# KiCad board mtt_final.kicad_pcb (continued)
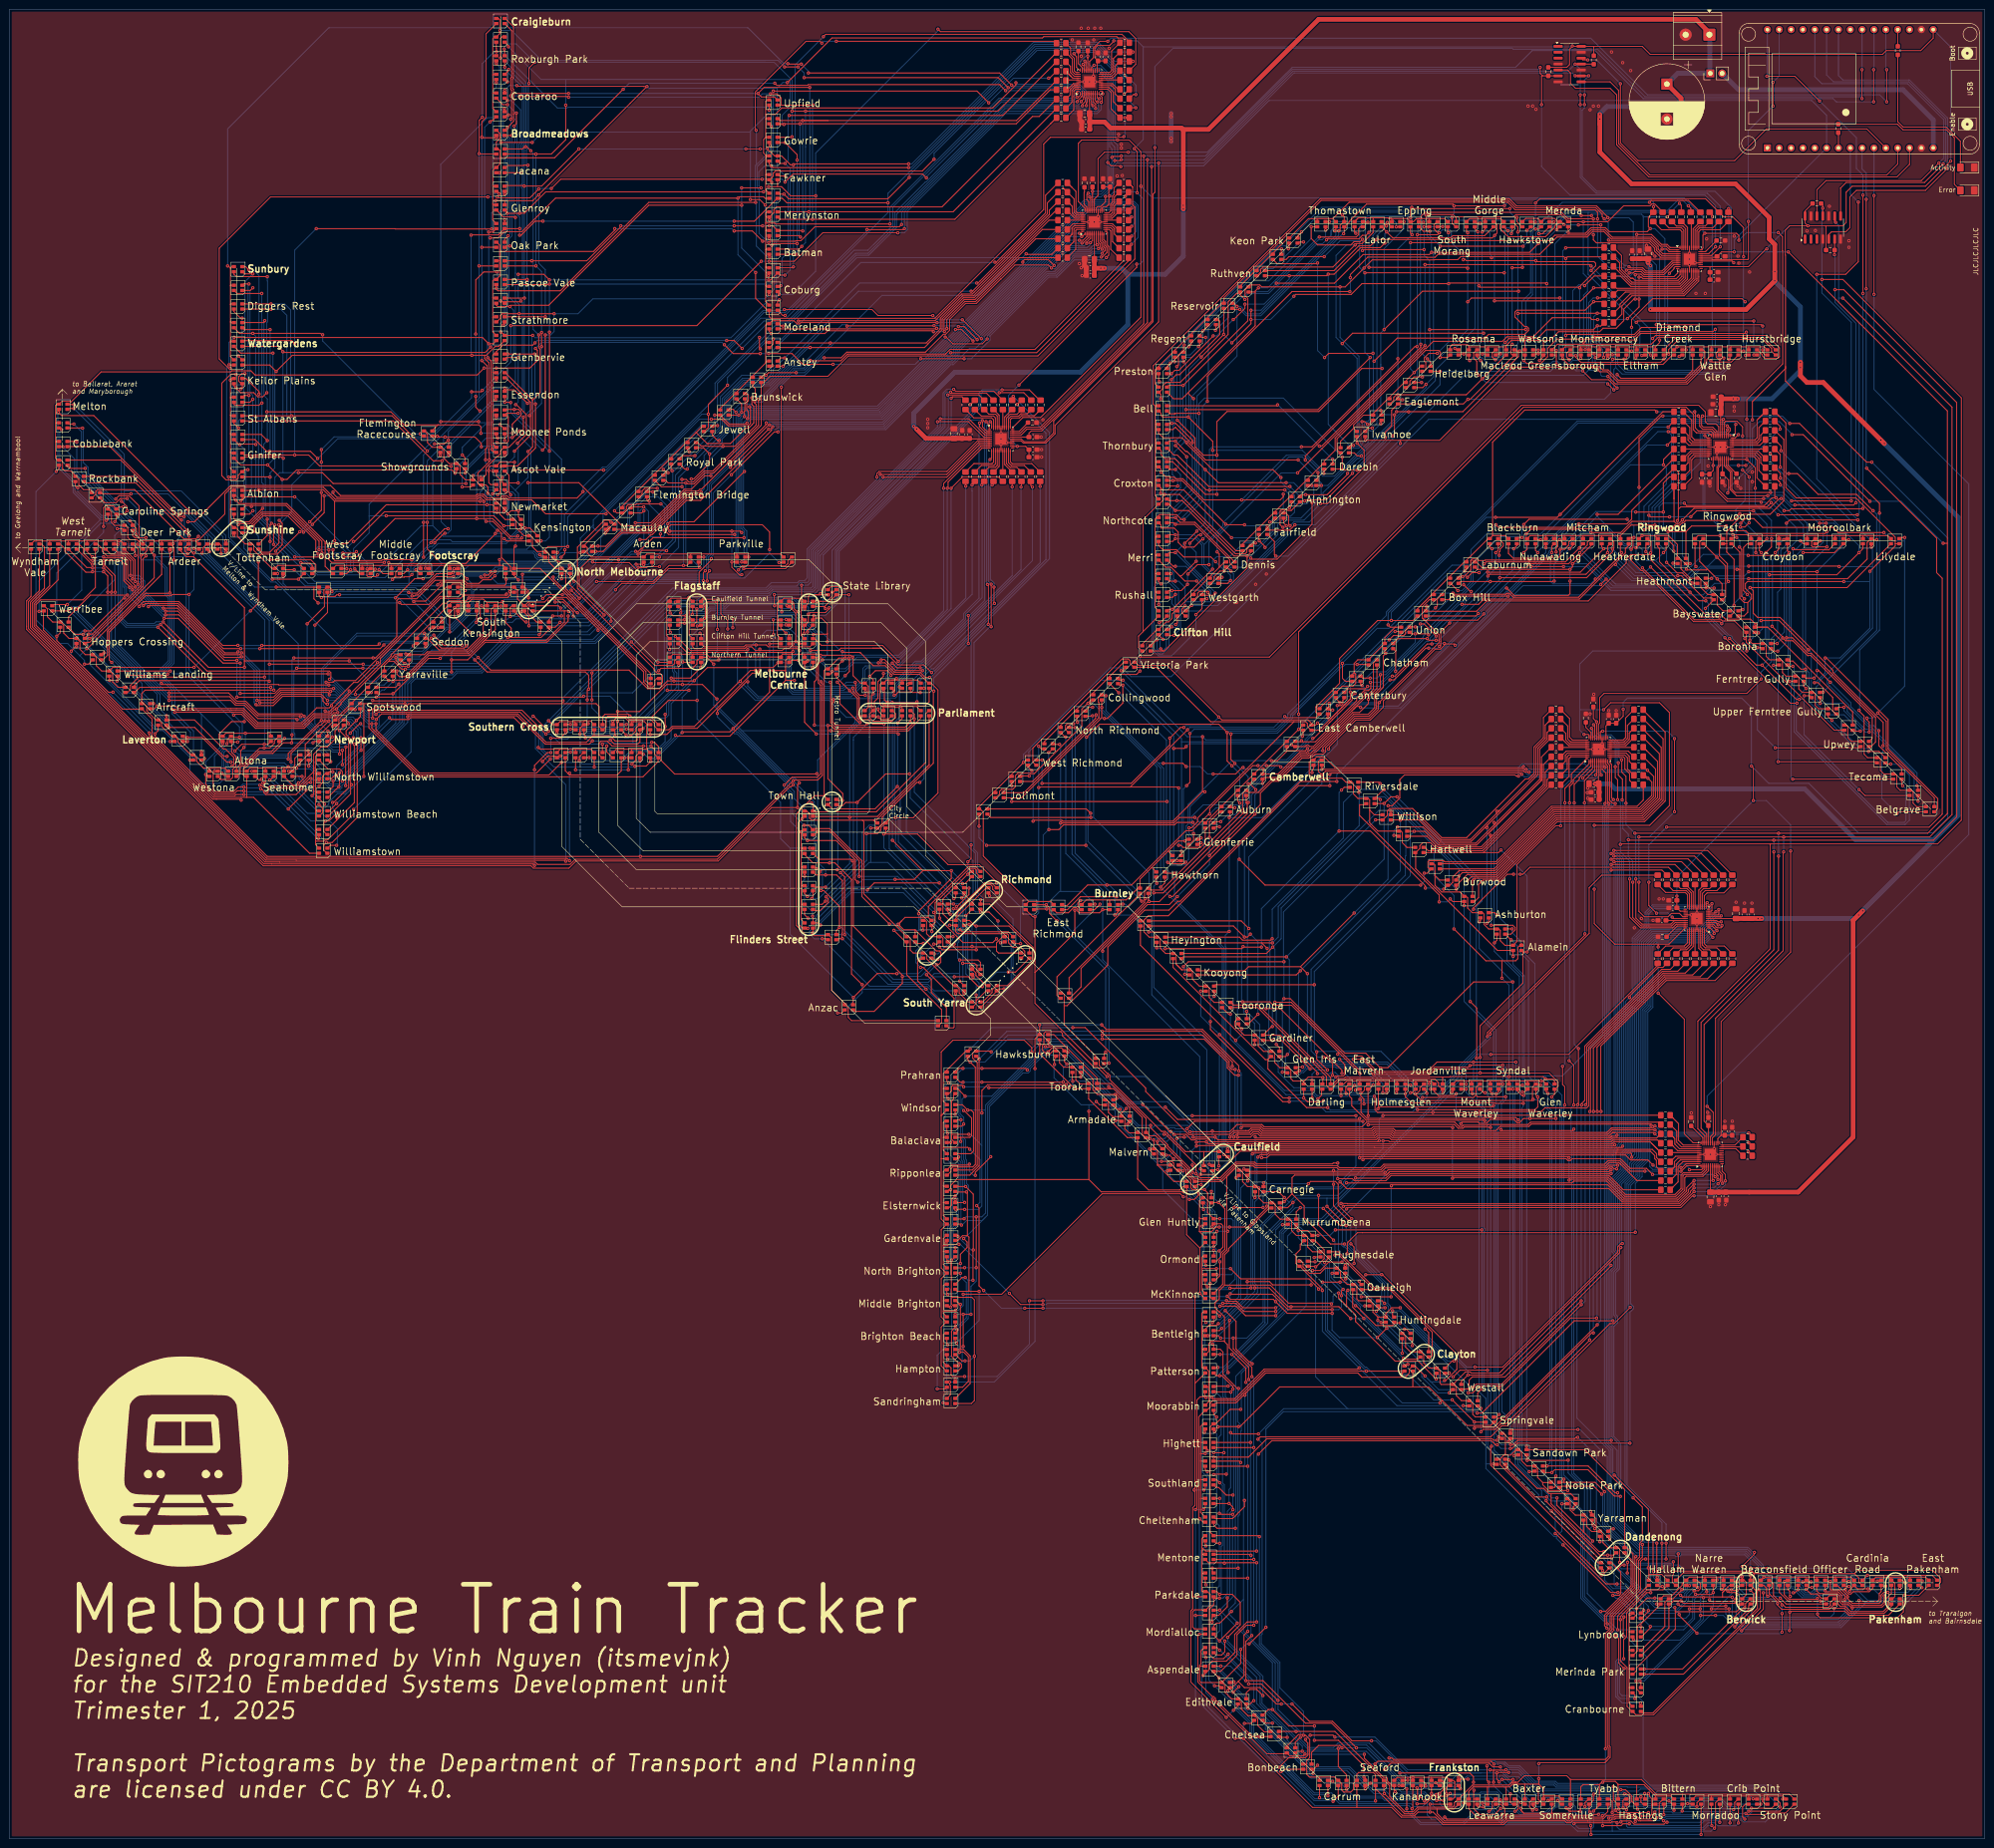
[diagram p0: board, top side]
## Routing (per net, layer and track width the routed paths; a pad name or vN(x,y) marks a point on that pad's centre or on a via; arc(x,y) is an arc through that point) (continued)
/L2_K0R: length 9.5
  Top w0.2: U4.43 211,304.39 210.59,304.81 206.79,304.81 205.6,305.99 ; 205.6,305.99 R40.1 205.6,305.99
/L2_K1B: length 4
  Top w0.2: U4.37 213.4,304.99 214.6,306.19
/L2_K1G: length 3.9
  Top w0.2: U4.38 R44.1
/L2_K1R: length 3.9
  Top w0.2: U4.40 212.2,305.39 211.39,306.2
/L2_K2B: length 10.7
  Top w0.2: R48.1 220.5,305.99 R48.1 ; R48.1 219.8,305.29 217.07,305.29 216.57,304.79 214.97,304.79 214.6,304.43 214.6,303.89 214.6,302.81
/L2_K2G: length 9.4
  Top w0.2: R47.1 218.48,305.97 R47.1 ; R47.1 218.2,305.69 216.9,305.69 216.4,305.19 214.8,305.19 214.2,304.59 U4.35
/L2_K2R: length 6.8
  Top w0.2: 216.55,306.09 216.05,305.59 214.6,305.59 213.8,304.79 U4.36 ; 216.55,306.09 R46.1 216.55,306.09
/L2_K3B: length 7
  Top w0.2: R51.1 216.41,293.78 ; 216.41,293.78 216.51,293.69 ; 216.41,293.78 216.02,294.18 214.58,294.18 213.8,294.96 U4.20
/L2_K3G: length 7.9
  Top w0.2: 218.7,293.49 218.4,293.79 217.61,294.58 214.82,294.58 214.2,295.19 U4.21
/L2_K3R: length 9.1
  Top w0.2: 220.54,293.65 219.2,294.99 215,294.99 214.6,295.39 214.6,297.78
/L2_K4B: length 4.8
  Top w0.2: 211.26,293.45 212.2,294.39 U4.16
/L2_K4G: length 4.7
  Top w0.2: U4.18 R53.1
/L2_K4R: length 5
  Top w0.2: 214.75,293.44 213.4,294.79 U4.19
/L2_K5B: length 8.8
  Top w0.2: 205.46,293.65 206.8,295 210.7,295 211,295.29 U4.13
/L2_K5G: length 7.8
  Top w0.2: U4.14 211.4,294.89 211.1,294.59 208.4,294.59 207.21,293.4
/L2_K5R: length 6.4
  Top w0.2: 209.23,293.43 210,294.19 211.4,294.19 211.8,294.59 U4.15
/L3_A0: length 67.2
  Top w0.2: v1(336.4,346.2) 336.4,346.2 v1(341.2,346.2) ; v1(347.26,337.23) 347.51,336.98 350.19,336.98 350.86,336.3 354.34,336.3 356.48,338.45 U5.7 ; 332.7,346.9 v1(333.3,346.3) ; D222.3 313.05,347.55 316.4,347.55 ; 316.4,347.55 319.75,347.55 D220.3 ; 316.4,347.55 D221.3 ; D219.3 325.1,347.6 327.7,347.6 D218.3 329.09,347.59 331.29,347.59 332.14,346.74 331.3,345.9 331.3,345.63 329.34,343.66 321.34,343.66 319.57,345.43 319.57,346.15 320.32,346.9
  Bottom w0.2: v1(333.3,346.3) 333.4,346.2 v1(336.4,346.2) ; v1(347.26,337.23) 346.98,337.5 346.25,337.5 341.2,342.55 v1(341.2,346.2)
/L3_A1: length 88.7
  Top w0.2: 302.7,347.57 302.7,348.13 303.47,348.91 304.69,348.91 304.7,348.9 332.77,348.9 334.12,347.55 334.72,347.55 334.77,347.5 v1(339.6,347.5) ; 302.7,347.57 301.7,347.57 ; 302.7,347.57 304.4,347.57 ; 302.7,347.57 302.3,347.57 302.29,347.55 301.68,347.55 301.03,346.9 D225.3 299.73,347.57 296.1,347.57 ; 292.4,347.71 295.62,347.71 295.77,347.57 296.1,347.57 ; 292.4,347.71 D227.3 ; 292.4,347.71 289.21,347.71 D228.3 289.1,347.6 ; D224.3 304.4,347.57 ; 304.4,347.57 307.73,347.57 D223.3 ; U5.5 354.05,339.25 352.7,340.6 352.7,341.24 351.59,342.35 340.25,342.35 339.6,343 v1(339.6,344.1) ; 296.1,347.57 296.4,347.57 D226.3
  Bottom w0.2: v1(339.6,347.5) v1(339.6,344.1)
/L3_A2: length 115.4
  Top w0.2: 280.4,347.55 278.55,347.55 D231.3 ; 280.4,347.55 D230.3 ; 280.4,347.55 283.75,347.55 ; U5.8 356.65,338.05 354.5,335.9 350.7,335.9 350.03,336.58 346.78,336.58 v1(346.69,336.49) ; 263.9,333.15 267.27,336.53 270.9,340.15 274.15,343.4 ; 283.75,347.55 D229.3 ; 283.75,347.55 287.25,351.05 321.23,351.05 322.83,349.45 339.98,349.45 340.5,348.93 v1(340.5,347.5)
  Bottom w0.2: v1(346.69,336.49) 346.12,337.07 342.93,337.07 340.5,339.5 v1(340.5,347.5)
/L3_A3: length 140.5
  Top w0.2: 246.4,315.85 245.65,315.1 245.65,312.15 D240.3 ; 246.4,315.85 249.9,319.35 ; 246.4,315.85 D239.3 ; U5.4 354.25,339.65 353.1,340.8 353.1,341.41 351.76,342.75 343.05,342.75 v1(342.85,342.95) ; 249.9,319.35 D238.3 ; 249.9,319.35 253.17,322.63 256.67,326.13 259.95,329.4 D235.3 260.4,330.6 281.25,351.45 321.4,351.45 323,349.85 340.15,349.85 341.5,348.5 341.5,347.95 v1(341.94,347.51)
  Bottom w0.2: v1(341.94,347.51) 342.8,346.65 342.8,343 v1(342.85,342.95)
/L3_A4: length 175.9
  Top w0.2: v1(342.7,347.75) 342.7,347.86 340.32,350.25 323.17,350.25 321.57,351.85 281.08,351.85 245.25,316.02 245.25,307.75 245.65,307.35 ; 245.65,299.4 245.65,295.4 ; 245.65,299.4 245.65,303.4 ; 245.65,299.4 D243.3 ; 245.65,295.4 D244.3 ; 245.65,295.4 245.65,291.4 ; U5.9 356.83,337.65 354.68,335.5 350.53,335.5 349.86,336.17 348.43,336.17 348.15,335.9 347.3,335.9 v1(347.29,335.89) ; 245.65,303.4 D242.3 ; 245.65,303.4 245.65,307.35 ; 245.65,307.35 245.7,307.4 D241.3 ; 245.65,291.4 245.65,288.15 D246.3 ; 245.65,291.4 D245.3
  Bottom w0.2: v1(347.29,335.89) 348.17,336.77 348.17,346.8 347.22,347.75 v1(342.7,347.75)
/L3_A5: length 181.9
  Top w0.2: 245.65,279.15 245.9,279.4 D248.3 ; 245.65,279.15 245.65,283.1 245.95,283.4 ; 245.65,279.15 245.65,275.15 ; D249.3 245.9,275.4 245.65,275.15 ; v1(287.4,331.9) 275,331.9 256.85,313.75 v1(256.85,308.35) ; v1(287.5,334.9) 287.5,335.55 291.25,339.3 303.85,339.3 303.9,339.25 305.65,339.25 306.31,339.91 328.11,339.91 331.79,343.6 338.25,343.6 339.45,344.8 341.85,344.8 343.5,343.15 351.93,343.15 353.5,341.58 353.5,341 353.5,341 354.45,340.05 U5.3 ; 245.95,283.4 246.6,284.05 250.25,284.05 251.3,283 v1(251.88,283) ; 245.95,283.4 D247.3 ; 245.65,275.15 245.65,271.4 ; 245.65,267.65 245.9,267.4 D251.3 ; 245.65,267.65 245.65,264.15 D252.3 ; 245.65,267.65 245.65,271.4 ; D250.3 245.65,271.4
  Bottom w0.2: v1(287.4,331.9) 287.5,332 v1(287.5,334.9) ; v1(256.85,308.35) 255.8,307.3 255.8,286.92 v1(251.88,283)
/L3_A6: length 43.4
  Top w0.2: 364.9,320.05 369.15,320.05 ; 364.9,320.05 360.9,320.05 ; 364.9,320.05 D256.3 ; 369.15,320.05 368.9,319.8 D255.3 ; 369.15,320.05 372.9,320.05 ; D253.3 376.25,320.05 372.9,320.05 ; 372.9,320.05 D254.3 ; v1(355.9,335.8) 356.89,336.79 356.89,336.99 357.15,337.25 U5.10 ; 360.9,320.05 357.55,320.05 v1(357.55,320.05) D258.3 ; 360.9,320.05 D257.3
  Bottom w0.2: v1(355.9,335.8) 355.53,335.43 355.53,320.72 356.2,320.05 v1(357.55,320.05)
/L3_A7: length 48.8
  Top w0.2: D263.3 336.9,320.05 ; 336.9,320.05 340.9,320.05 ; 336.9,320.05 333.55,320.05 D264.3 ; D261.3 344.9,320.05 ; 344.9,320.05 340.9,320.05 ; 344.9,320.05 348.9,320.05 ; D260.3 348.9,320.05 ; 348.9,320.05 352.9,320.05 ; 352.9,320.05 353.8,320.95 v1(353.8,321.5) ; 352.9,320.05 D259.3 ; 340.9,320.05 D262.3 ; v1(354.33,341.02) 355.28,341.02 355.85,340.45 U5.2
  Bottom w0.2: v1(354.33,341.02) 353.8,340.48 v1(353.8,321.5)
/L3_A8: length 68.6
  Top w0.2: 324.9,321.4 328.9,321.4 ; 324.9,321.4 322,321.4 320.9,320.3 320.9,320.05 ; 324.9,321.4 D266.3 ; 328.9,321.4 D265.3 ; 328.9,321.4 330.25,321.4 332.15,323.3 340.96,323.3 341.7,324.04 344.5,324.04 346.12,325.67 346.12,328.12 348.3,330.3 v1(348.6,330.3) ; D268.3 316.9,319.8 317.15,320.05 ; 357.69,336.85 357.69,335.89 356.9,335.1 350.37,335.1 349.82,335.65 348.75,335.65 v1(348.6,335.5) ; 312.9,320.05 312.9,320.2 312.6,320.5 309.3,320.5 308.9,320.1 D270.3 ; 312.9,320.05 D269.3 ; 312.9,320.05 317.15,320.05 ; 320.9,320.05 D267.3 ; 320.9,320.05 317.15,320.05
  Bottom w0.2: v1(348.6,330.3) v1(348.6,335.5)
/L3_A9: length 115.3
  Top w0.2: 302.55,315.9 v1(301.17,314.52) 292.4,305.75 D274.3 290.3,305.4 288.21,303.31 288.21,302.59 ; D275.3 288.21,302.59 ; 288.21,302.59 285.4,299.78 D276.3 ; v1(300.4,342.4) 309.2,342.4 309.63,342.83 330.2,342.83 331.37,344 338.08,344 339.28,345.2 342.02,345.2 343.66,343.55 352.09,343.55 354.03,341.62 355.25,341.62 356.02,340.85 357.69,340.85
  Bottom w0.2: v1(300.4,342.4) 300.4,315.3 v1(301.17,314.52)
/L3_A10: length 126.2
  Top w0.2: 267.9,281.25 264.4,277.75 D282.3 ; 267.9,281.25 D281.3 ; 267.9,281.25 271.4,284.75 ; v1(349.4,335) 349.9,335 350.2,334.7 357.4,334.7 358.2,335.5 358.2,336.34 ; 274.9,288.25 278.4,291.75 ; 274.9,288.25 D279.3 ; 274.9,288.25 271.4,284.75 ; 278.4,291.75 281.55,294.9 ; 278.4,291.75 D278.3 ; v1(346.9,326.1) 349.4,328.6 v1(349.4,330.3) ; v1(340.5,325.9) 339.3,325.9 338.9,326.3 330.8,326.3 326.7,322.2 321.06,322.2 320.09,321.23 305.28,321.23 303.75,319.7 303.75,319.67 303.44,319.67 284.25,300.48 284.25,297.85 281.9,295.5 D277.3 ; 271.4,284.75 D280.3
  Bottom w0.2: v1(340.5,325.9) 346.7,325.9 v1(346.9,326.1) ; v1(349.4,330.3) v1(349.4,335)
/L3_A11: length 176.5
  Top w0.2: v1(348.9,344.15) 352.06,344.15 354.19,342.02 355.42,342.02 356.07,341.36 358.2,341.36 ; v1(303.5,337.7) 338.8,337.7 v1(339.1,337.4) ; 246.05,259.4 242.9,256.25 D288.3 ; v1(258.95,276.05) 259.4,275.6 259.4,272.75 259.33,272.68 ; 259.33,272.68 250.4,263.75 D286.3 249.95,263.4 249.28,262.73 249.28,261.77 248.53,261.02 248.03,261.02 D287.3 ; 259.33,272.68 260.55,273.9 ; v1(276.2,293) v1(303.5,320.3)
  Bottom w0.2: v1(348.9,344.15) 348.9,344.15 348.9,336.65 347.35,335.1 341.4,335.1 v1(339.1,337.4) ; v1(276.2,293) 272.7,293 258.95,279.25 v1(258.95,276.05) ; v1(303.5,320.3) v1(303.5,337.7)
/L3_CS: length 62.4
  Top w0.2: v1(378.1,371.7) 378.1,376.7 378,376.8 ; v1(372.85,346.95) 372.85,338.89 372.73,338.77 365.1,338.77 365.02,338.85 U5.28
  Bottom w0.2: v1(372.85,346.95) 372.8,347 372.8,366.4 v1(378.1,371.7) ; v1(378.1,376.8) 379.46,378.16 U1.29
/L3_K0B: length 7.7
  Top w0.2: R61.1 357.42,345.95 358.8,345.95 359.4,345.35 U5.41
/L3_K0G: length 9.1
  Top w0.2: U5.42 359,345.05 358.5,345.55 355.82,345.55 R60.1
/L3_K0R: length 10.6
  Top w0.2: U5.43 358.6,344.75 358.2,345.15 354.22,345.15 R59.1
/L3_K1B: length 6.3
  Top w0.2: U5.37 361,345.37 R64.1
/L3_K1G: length 5.6
  Top w0.2: U5.38 360.6,346.82
/L3_K1R: length 6.2
  Top w0.2: U5.40 359.8,345.65 358.53,346.92
/L3_K2B: length 10.6
  Top w0.2: R67.1 366.78,345.15 362.6,345.15 362.2,344.75 362.2,341.36
/L3_K2G: length 9.3
  Top w0.2: U5.35 361.8,344.98 362.37,345.55 365.18,345.55 R66.1
/L3_K2R: length 7.8
  Top w0.2: R65.1 363.58,345.95 362.2,345.95 361.4,345.15 U5.36
/L3_K3B: length 21.6
  Top w0.2: U5.20 361.4,334.48 361.18,334.27 358.72,331.8 346.47,331.8 R70.1
/L3_K3G: length 23.3
  Top w0.2: U5.21 361.8,334.65 361.8,334.65 361.8,334.32 358.89,331.4 347.52,331.4 345.32,329.2 345.32,328.65 R69.1
/L3_K3R: length 25.2
  Top w0.2: R68.1 345.72,327.05 345.72,328.82 347.9,331 359.05,331 362.2,334.15 362.2,335.05 362.2,335.05 362.2,336.34
/L3_K4B: length 19.3
  Top w0.2: R73.1 345.39,335.25 347.63,333 358.22,333 359.8,334.58 U5.16
/L3_K4G: length 19.4
  Top w0.2: U5.18 360.6,334.82 358.38,332.6 344.57,332.6 344.02,333.15
/L3_K4R: length 20.3
  Top w0.2: R71.1 344.87,332.2 358.55,332.2 361,334.65 U5.19
/L3_K5B: length 21.5
  Top w0.2: 348.1,334.75 348.55,334.3 357.75,334.3 358.6,335.15 U5.13 ; 348.1,334.75 347.59,334.75 345.64,336.7 345.64,339.63 R76.1 ; 348.1,334.75 347.59,334.75
/L3_K5G: length 20.2
  Top w0.2: R75.1 345.24,338.03 345.24,336.53 347.87,333.9 357.95,333.9 359,334.95 U5.14
/L3_K5R: length 19.3
  Top w0.2: U5.15 359.4,334.75 358.15,333.5 347.7,333.5 344.84,336.37 344.84,336.38 R74.1
/L4_A0: length 187.4
  Top w0.2: 235.9,249.35 228.77,242.22 ; 235.9,249.35 236.33,249.78 ; 235.9,249.35 D290.3 ; 228.77,242.22 225.4,238.85 ; 228.77,242.22 228.9,242.09 ; 225.4,238.85 D293.3 ; 225.4,238.85 221.9,235.35 D294.3 ; 236.33,249.78 238.95,252.4 D289.3 ; 236.33,249.78 241.67,249.78 v1(242.4,250.5) ; v1(242.4,253.69) 242.6,253.49 270.14,253.49 324.17,307.52 362.18,307.52 363.6,306.1 363.6,304 364.1,303.5 365.9,303.5 366.48,302.92 U6.7
  Bottom w0.2: v1(242.4,253.69) v1(242.4,250.5)
/L4_A1: length 233.2
  Top w0.2: U6.5 367.28,302.45 367.3,302.47 367.3,304.31 v1(367.49,304.5) ; 214.24,227.69 214.69,227.69 ; 214.24,227.69 207.9,221.35 207.9,221.12 208.8,220.22 208.8,210.8 218.55,201.05 ; 214.24,227.69 217.95,231.4 D295.3 ; D300.3 218.55,201.05 ; 218.55,201.05 223.25,201.05 D299.3
  Bottom w0.2: v1(217.4,230.9) 217.4,232.57 236.01,251.18 238.61,251.18 240.48,249.3 249.1,249.3 304.3,304.5 v1(367.49,304.5)
/L4_A2: length 138
  Top w0.2: 397.65,235.4 397.65,232.65 398.4,231.9 D304.3 400.85,231.9 401.15,231.6 401.15,229.15 401.9,228.4 D303.3 ; 397.65,235.4 D305.3 394.9,235.4 394.15,236.15 394.15,238.6 394,238.75 ; 397.65,235.4 397.65,240.85 396.58,241.92 v1(396.58,242.08) ; 393.85,238.9 394,238.75 ; 394,238.75 393.55,238.75 ; D301.3 408.9,221.4 408.15,222.15 408.15,224.6 407.85,224.9 D302.3 405.4,224.9 404.65,225.65 404.65,228.1 404.5,228.25 ; U6.8 366.08,301.92 365.2,302.8 363.16,302.8 362.8,303.17 362.8,305 v1(363,305.2) ; v1(400.95,284.37) 400.95,286.45 383.79,303.61 v1(381.71,303.61) ; 404.5,228.25 404.05,228.25 ; 404.5,228.25 404.35,228.4
  Bottom w0.2: v1(381.71,303.61) 380.12,305.2 v1(363,305.2) ; v1(396.58,242.08) 396.7,242.2 396.7,254.99 400.95,259.24 v1(400.95,284.37)
/L4_A3: length 92.5
  Top w0.2: v1(371.6,300.9) 371.6,302.89 370.39,304.1 368,304.1 367.7,303.8 367.7,302.3 367.68,302.28 U6.4 ; D307.3 387.9,242.4 387.15,243.15 387.15,245.6 386.85,245.9 D308.3 384.4,245.9 383.65,246.65 383.65,249.1 383.35,249.4 D309.3 380.9,249.4 380.15,250.15 380.15,252.6 379.85,252.9 D310.3 377.4,252.9 376.65,253.65 376.65,256.1 376.35,256.4 D311.3 373.65,256.4 373.15,256.9 v1(373.15,257.1) 373.15,259.6 372.85,259.9 D312.3 ; v1(373,292.1) 373,292.2 v1(371.6,293.6) ; v1(371.11,281.39) 372.09,281.39 v1(373,282.3)
  Bottom w0.2: v1(371.6,300.9) v1(371.6,293.6) ; 373.8,278.7 v1(371.11,281.39) 373.82,278.68 373.82,257.62 373.2,257 ; v1(373,292.1) v1(373,282.3)
/L4_A4: length 74.8
  Top w0.2: v1(349.4,289.9) 349.4,300.43 354.17,305.2 v1(354.5,305.2) ; v1(362.09,305.23) 362.4,304.92 362.4,303 363,302.4 365,302.4 365.68,301.72 U6.9 ; 352.75,279.55 350.05,279.55 v1(350.05,279.55) D318.3 ; 352.75,279.55 355.72,279.55 357.65,277.62 D316.3 ; 352.75,279.55 D317.3 ; D313.3 367.4,263.4 366.15,264.65 366.15,266.6 365.85,266.9 D314.3 364.15,266.9 362.65,268.4 362.65,270.1 362.35,270.4 D315.3 360.4,270.4 358.4,272.4 358.4,274.15 357.9,274.65
  Bottom w0.2: v1(349.4,289.9) 349.4,280.2 v1(350.05,279.55) ; v1(362.09,305.23) 354.53,305.23 v1(354.5,305.2)
/L4_A5: length 63.4
  Top w0.2: 329.4,279.55 326.05,279.55 D324.3 ; 329.4,279.55 D323.3 ; 329.4,279.55 333.4,279.55 ; v1(368.36,302.27) 368.36,302 368.08,301.71 U6.3 ; 345.4,279.53 347.67,281.8 v1(352.8,281.8) ; 345.4,279.53 344.77,279.53 344.75,279.55 341.4,279.55 ; 345.4,279.53 D319.3 ; 333.4,279.55 337.4,279.55 ; 333.4,279.55 D322.3 ; 337.4,279.55 341.4,279.55 ; 337.4,279.55 D321.3 ; 341.4,279.55 D320.3
  Bottom w0.2: v1(368.36,302.27) 367.79,301.7 364.22,301.7 363.92,302 363.08,302 362.5,301.42 362.5,295.2 352.8,285.5 v1(352.8,281.8)
/L4_A6: length 101.5
  Top w0.2: D326.3 318,279.5 ; 318,279.5 318,299.6 324.9,306.5 352.8,306.5 v1(353.2,306.1) ; 318,279.5 318.05,279.55 320.75,279.55 D325.3 ; D330.3 301.9,263.85 311.95,273.9 D327.3 312.4,274.25 317.05,278.9 ; U6.10 365.28,301.52 364.8,302 362.1,302 361.49,302.61 361.49,305.79 361.32,305.96 v1(361.32,306.12)
  Bottom w0.2: v1(361.32,306.12) 361.3,306.1 v1(353.2,306.1)
/L4_A7: length 126.1
  Top w0.2: D335.3 285.76,247.26 288.06,247.26 288.66,247.86 288.66,249.83 288.39,250.1 288.32,250.1 ; v1(295.6,260.4) 296.1,259.9 297.3,259.9 ; 284.28,245.9 280.9,242.52 ; U6.2 368.48,301.55 368.49,301.55 368.96,302.02 368.96,302.52 368.41,303.07 v1(368.3,303.07) ; 288.32,250.1 287.9,249.68 D334.3 ; 288.32,250.1 288.32,252.12 289.1,252.9 D333.3 ; 297.3,259.9 297.12,259.9 294.9,257.68 D332.3 ; 297.3,259.9 D331.3 ; 291.4,252.97 294.83,256.4
  Bottom w0.2: v1(295.6,260.4) 295.6,262.97 336.33,303.7 365.76,303.7 365.96,303.5 367.87,303.5 v1(368.3,303.07)
/L4_A8: length 163.4
  Top w0.2: 364.88,301.03 364.31,301.6 361.7,301.6 361.7,301.6 361.09,302.21 361.09,305.51 359.48,307.12 324.62,307.12 276.42,258.92 v1(276.42,241.24) ; 256.4,217.97 v1(276.42,237.98) 277.33,238.9
  Bottom w0.2: v1(276.42,241.24) v1(276.42,237.98)
/L4_A9: length 207.3
  Top w0.2: D344.3 248.43,211.87 ; 248.43,211.87 244.88,208.32 ; 248.43,211.87 250.59,214.03 v1(252.08,214.03) 252.45,214.4 D343.3 ; v1(252.4,225.9) 253.1,226.6 v1(253.1,237.1) ; 242.4,204.35 242.4,205.83 244.88,208.32 ; 242.4,204.35 D346.3 ; 242.4,204.35 239.45,201.4 235.9,201.4 ; D348.3 230.9,201.4 235.9,201.4 ; D345.3 244.98,208.32 244.88,208.32 ; 368.88,301.03 369.63,301.03 370,301.4 370,303.36 370.07,303.43 v1(370.15,303.43) ; 235.9,201.4 D347.3
  Bottom w0.2: v1(253.1,237.1) 254,238 271.55,238 274.05,240.5 274.05,241.25 295.2,262.4 295.2,263.13 336.17,304.1 365.93,304.1 366.13,303.9 370,303.9 370.12,303.78 370.12,303.65 370.1,303.64 370.1,303.59 370.15,303.55 v1(370.15,303.43) ; v1(252.08,214.03) 251.99,214.03 251.71,214.3 251.71,225.21 v1(252.4,225.9)
/L4_A10: length 63
  Top w0.2: v1(369.5,279.75) 369.51,279.74 372.56,279.74 372.75,279.55 373.3,279.55 ; 373.3,279.55 373.4,279.45 D354.3 ; 373.3,279.55 379.15,279.55 ; 364.37,300.52 363.98,300.52 v1(363.5,301) ; 379.15,279.55 385.4,279.55 ; 379.15,279.55 379.4,279.3 D353.3 ; 385.4,279.55 D352.3 ; 385.4,279.55 391.65,279.55 ; D351.3 391.4,279.3 391.65,279.55 ; 391.65,279.55 397.4,279.55 ; D350.3 397.4,279.55 ; 397.4,279.55 402.75,279.55 D349.3
  Bottom w0.2: v1(369.5,279.75) 369.45,279.7 368.9,279.7 363.5,285.1 v1(363.5,301)
/L4_A11: length 290.1
  Top w0.2: D430.3 225.85,181.4 226.15,181.1 226.15,178.7 ; 233.65,167.1 233.65,167.15 226.15,174.65 226.15,178.7 ; 233.65,167.1 233.35,167.4 D432.3 ; 233.65,167.1 233.65,165.9 235.37,164.18 235.53,164.18 235.95,163.76 235.95,162.81 247.04,151.73 247.82,151.73 252.15,147.4 256.1,147.4 ; 367.33,278.9 366.65,278.22 366.65,275.2 368.36,273.49 368.36,269.9 v1(368.56,269.7) ; D355.3 v1(366.75,279.55) 362.05,279.55 D356.3 ; D431.3 256.1,147.4 ; 256.1,147.4 D429.3 ; 369.39,300.52 370.02,300.52 v1(370.7,301.2) ; 226.15,178.7 226.77,178.7 235.5,187.43 235.5,191.3 243.4,199.2 248.6,199.2 250.5,201.1 251.03,201.1 276.73,226.8 v1(284.6,226.8)
  Bottom w0.2: v1(366.75,279.55) 366.7,279.6 366.7,281.33 363.1,284.93 363.1,290.4 362.9,290.6 362.9,301.25 363.25,301.6 363.75,301.6 364.05,301.3 370.6,301.3 v1(370.7,301.2) ; v1(284.6,226.8) 284.6,228.3 300.3,244 300.3,244.03 323.08,266.81 363.11,266.81 365.6,269.3 368.16,269.3 v1(368.56,269.7)
/L4_CS: length 154.9
  Top w0.2: U6.28 366.88,294.58 366.4,294.1 366.4,289.4 368.4,287.4 375.9,287.4 376,287.5 v1(376.1,287.5) ; v1(376.8,378.1) 382.8,378.1 v1(388.1,372.8) ; v1(397.4,331.5) v1(397.4,352.6) ; v1(397.37,285.37) 397.3,285.3 382,285.3 381.6,284.9 v1(380.5,284.9)
  Bottom w0.2: v1(380.5,284.9) 377.9,287.5 v1(376.1,287.5) ; v1(397.4,352.6) 397.4,356.9 396,358.3 396,364.9 v1(388.1,372.8) ; v1(376.8,378.1) 376.91,378.22 U1.30 ; v1(397.4,331.5) 397.4,285.4 v1(397.37,285.37)
/L4_K0B: length 9
  Top w0.2: R80.1 375.49,301.12 375.49,300.02 374.79,299.32 U6.41
/L4_K0G: length 10.9
  Top w0.2: 375.89,303.52 376.19,303.82 ; 375.89,303.52 375.09,302.72 375.09,300.22 374.59,299.72 U6.42 ; 375.89,303.52 R79.1
/L4_K0R: length 13.4
  Top w0.2: 374.89,304.52 375.89,305.52 ; 374.89,304.52 R78.1 ; 374.89,304.52 374.69,304.32 374.69,300.52 374.29,300.12 U6.43
/L4_K1B: length 7.3
  Top w0.2: 376.09,296.52 374.89,297.72 U6.37
/L4_K1G: length 7.2
  Top w0.2: U6.38 R82.1
/L4_K1R: length 7.2
  Top w0.2: 376.09,299.72 375.29,298.92 U6.40
/L4_K2B: length 12.9
  Top w0.2: 375.89,290.72 374.69,291.92 374.69,295.82 373.99,296.52 369.39,296.52 ; 375.89,290.72 R86.1 375.89,290.72
/L4_K2G: length 11.2
  Top w0.2: 375.89,292.72 376.19,292.42 ; 375.89,292.72 R85.1 ; 375.89,292.72 375.09,293.52 375.09,296.12 374.29,296.92 U6.35
/L4_K2R: length 9.3
  Top w0.2: R84.1 375.49,295.12 375.49,296.42 374.59,297.32 U6.36
/L4_K3B: length 7.7
  Top w0.2: R89.1 359.89,295.12 359.89,296.52 360.69,297.32 U6.20
/L4_K3G: length 8.5
  Top w0.2: 359.35,292.58 360.29,293.52 360.29,296.12 361.09,296.92 U6.21
/L4_K3R: length 10.4
  Top w0.2: 364.37,296.52 361.39,296.52 360.69,295.82 360.69,291.92 R87.1
/L4_K4B: length 6.2
  Top w0.2: 358.82,300.19 360.09,298.92 U6.16
/L4_K4G: length 5.6
  Top w0.2: U6.18 R91.1
/L4_K4R: length 6.3
  Top w0.2: U6.19 360.49,297.72 R90.1
/L4_K5B: length 10.2
  Top w0.2: U6.13 361.29,300.12 360.69,300.72 360.69,304.32 R95.1
/L4_K5G: length 8.8
  Top w0.2: U6.14 360.89,299.72 360.29,300.32 360.29,302.72 R94.1
/L4_K5R: length 7.4
  Top w0.2: R93.1 359.89,301.12 359.89,300.02 360.59,299.32 U6.15
/L5_A0: length 85.9
  Top w0.2: 311.9,202.2 311,203.1 311,203.09 307.07,203.09 305.65,204.52 305.65,206.8 ; D362.3 305.35,209.15 305.65,208.85 305.65,206.8 ; v1(341.3,228.2) 341.3,228.3 341.1,228.5 U7.7 ; 305.65,206.8 305.65,206.65 306.65,205.65 D361.3 ; v1(332.6,217.3) 331.54,217.3 323.24,209.01 323.24,192.49 D357.3 320.65,191.65 319.65,192.65 319.65,194.85 319.35,195.15 D358.3 317.15,195.15 316.15,196.15 316.15,198.35 315.85,198.65 D359.3 313.65,198.65 312.65,199.65 312.65,201.85 312.35,202.15 D360.3
  Bottom w0.2: v1(341.3,228.2) 341,228.2 340.4,227.6 338.3,227.6 337.65,226.95 334.45,226.95 332.6,225.1 v1(332.6,217.3)
/L5_A1: length 107.8
  Top w0.2: D363.3 299.65,212.65 298.65,213.65 298.65,215.85 298.35,216.15 D364.3 293.42,216.15 291.65,217.92 291.65,220.7 ; U7.5 340.3,228.4 v1(340.1,228.2) ; v1(324.6,230) 324.4,229.8 284.17,229.8 281.92,232.05 280.25,232.05 D368.3 279.15,231.4 278.7,230.95 278.7,228.3 279.5,227.5 285.7,227.5 286.55,226.65 D367.3 287.85,226.65 288.15,226.35 288.15,224.15 289.15,223.15 D366.3 291.35,223.15 291.65,222.85 291.65,220.7 ; 291.65,220.7 291.65,220.65 292.65,219.65 D365.3
  Bottom w0.2: v1(324.6,230) 324.6,229.15 325.55,228.2 v1(340.1,228.2)
/L5_A2: length 100.4
  Top w0.2: 325.4,162.55 325.5,162.45 D370.3 ; 325.4,162.55 v1(328.4,162.55) 328.85,162.55 D369.3 ; 325.4,162.55 321.4,162.55 ; U7.8 341.5,229.4 342.3,228.6 342.3,222.27 v1(342.1,222.07) ; D374.3 310.15,162.55 313.4,162.55 ; 313.4,162.55 313.5,162.45 D373.3 ; 313.4,162.55 317.65,162.55 ; 317.65,162.55 317.5,162.4 D372.3 ; 317.65,162.55 321.4,162.55 ; 321.4,162.55 321.5,162.45 D371.3
  Bottom w0.2: v1(342.1,222.07) 341.6,221.57 341.6,172.3 332.95,163.65 329.12,163.65 328.4,162.93 v1(328.4,162.55)
/L5_A3: length 110.1
  Top w0.2: 304.5,162.55 304.5,162.1 v1(304.4,162) ; 304.5,162.55 301.65,162.55 ; 304.5,162.55 304.85,162.55 D375.3 ; D377.3 297.5,162.4 297.65,162.55 ; U7.4 339.9,229.2 339.3,228.6 339.3,228.6 337.7,227 v1(337.7,222.2) ; 289.4,162.55 293.4,162.55 ; 289.4,162.55 289.5,162.45 D379.3 ; 289.4,162.55 286.75,162.55 286.1,161.9 D380.3 ; 293.4,162.55 297.65,162.55 ; 293.4,162.55 293.5,162.45 D378.3 ; v1(316.87,172.07) 316.87,172.92 337.8,193.85 337.8,194.1 v1(337.78,194.12) ; 301.65,162.55 301.5,162.4 D376.3 ; 301.65,162.55 297.65,162.55
  Bottom w0.2: v1(316.87,172.07) 316.87,171.78 309.74,164.65 309.74,163.81 307.93,162 v1(304.4,162) ; v1(337.78,194.12) 337.8,194.13 337.8,222.1 v1(337.7,222.2)
/L5_A4: length 160.1
  Top w0.2: D385.3 264.73,172.4 262.75,174.38 262.75,175.28 263.36,175.9 ; v1(283.67,163.78) 283.62,163.78 283.7,163.85 283.7,166.29 282.34,167.65 v1(281.75,167.65) ; 277.5,162.55 275.25,162.55 274.75,163.05 274.75,164.8 274.15,165.4 ; 277.5,162.55 D382.3 ; 277.5,162.55 277.65,162.55 278.5,163.4 281.5,163.4 v1(281.6,163.3) 281.6,162 ; U7.9 341.9,230 341.91,230 v1(342.1,229.81) ; v1(323.55,227.96) 323.04,227.96 322.8,228.2 299.1,228.2 298.1,227.2 298.1,226.8 298.11,226.79 298.11,223.25 296.46,221.6 v1(295.6,221.6) ; D383.3 272.4,165.4 271.25,166.55 271.25,168.6 270.95,168.9 D384.3 268.9,168.9 267.75,170.05 267.75,171.72 267.07,172.4
  Bottom w0.2: v1(281.6,163.3) 283.2,163.3 v1(283.67,163.78) ; v1(295.6,221.6) 296.17,221.6 299.4,218.37 299.4,210.9 299.3,210.8 299.3,206.7 279.1,186.5 279.1,169 280.45,167.65 v1(281.75,167.65) ; v1(342.1,229.81) 341.91,230 338.31,230 337.71,230.6 324.35,230.6 323.55,229.8 v1(323.55,227.96)
/L5_A5: length 145.2
  Top w0.2: 246.35,193.4 246.45,193.4 246.75,193.1 246.75,191.05 247.4,190.4 247.9,189.9 D390.3 ; v1(283.1,225.9) 276.4,225.9 248.5,198 244.2,198 243.25,197.05 243.25,196.9 ; 250.15,187.65 250.15,187.55 251.3,186.4 251.4,186.4 ; 250.15,187.65 250.15,189.6 250,189.75 ; 250.15,187.65 251.4,186.4 ; D387.3 258.3,179.4 257.25,180.45 257.25,182.5 256.85,182.9 ; D392.3 243.25,196.9 ; 243.25,196.9 243.25,194.55 244.4,193.4 245.9,193.4 ; v1(337.35,227.55) 339.5,229.7 U7.3 ; D388.3 255.15,182.9 253.65,184.4 253.65,186.1 253.35,186.4 ; D389.3 251.4,186.4 ; 250,189.75 249.85,189.9 ; 250,189.75 249.65,189.75 ; v1(324.25,228.35) 324,228.6 283.4,228.6 v1(283.1,228.3)
  Bottom w0.2: v1(283.1,225.9) v1(283.1,228.3) ; v1(324.25,228.35) 324.8,227.8 337.1,227.8 v1(337.35,227.55)
/L5_A6: length 256.4
  Top w0.2: 403.15,56.1 403.5,55.75 D395.3 ; 403.15,56.1 407.4,56.1 ; 403.15,56.1 400.15,56.1 D396.3 ; 407.4,56.1 407.5,56 D394.3 ; 407.4,56.1 410.85,56.1 D393.3 ; 389.35,51.6 388.48,51.6 387.58,52.5 386.22,52.5 v1(385.22,53.5) ; U7.10 342.3,230.46 342.7,230.06 342.7,222.4 342.9,222.2 342.9,222.1 v1(342.93,222.07) ; 403.75,51.45 404.25,51.95 404.25,54.77 403.57,55.45 ; 403.43,51.45 402.75,50.77 402.75,49.72 401.76,48.73 394.74,48.73 393.66,49.81 392.59,49.81 392.05,50.35 392.05,51.87 391.77,52.15 390.2,52.15 D398.3
  Bottom w0.2: v1(342.93,222.07) 342.9,222.07 342.7,221.87 342.7,221.82 342.35,221.47 342.3,221.47 342,221.17 342,145.17 342,145.17 342,84.87 343.4,83.47 343.4,68.4 349.7,62.1 372.6,62.1 376,58.7 376,57.5 377.3,56.2 385,56.2 385.68,55.52 385.68,53.96 v1(385.22,53.5)
/L5_A7: length 230.6
  Top w0.2: D400.3 391.5,56 391.4,56.1 ; D403.3 379.5,55.95 379.65,56.1 ; 379.65,56.1 383.65,56.1 ; 379.65,56.1 v1(376.15,56.1) D404.3 ; 383.65,56.1 387.4,56.1 ; 383.65,56.1 383.5,55.95 D402.3 ; v1(336.4,169.51) 336.4,157.7 336.23,157.53 v1(336.23,157.45) ; 387.4,56.1 391.4,56.1 ; 387.4,56.1 387.5,56 D401.3 ; 391.4,56.1 394.85,56.1 D399.3 ; v1(335.5,222.2) 335.5,226.17 336.6,227.27 336.6,227.65 339.1,230.15 U7.2
  Bottom w0.2: v1(336.23,157.45) 336.1,157.32 336.1,90.2 343,83.3 343,68.2 349.5,61.7 372.4,61.7 375.6,58.5 375.6,56.65 v1(376.15,56.1) ; v1(336.4,169.51) 335.5,170.41 v1(335.5,222.2)
